# Altium PCB Rpi Head.pcbdoc
Units mil, origin at the board's own origin, x right, y up, seen from the top; angles counter-clockwise.
Board outline 3898.23 x 2736.71 mil, 4 copper layers (Top Layer, Inner1, Inner2, Bottom Layer); 75 components, 46 nets, 310 pads, 262 vias.
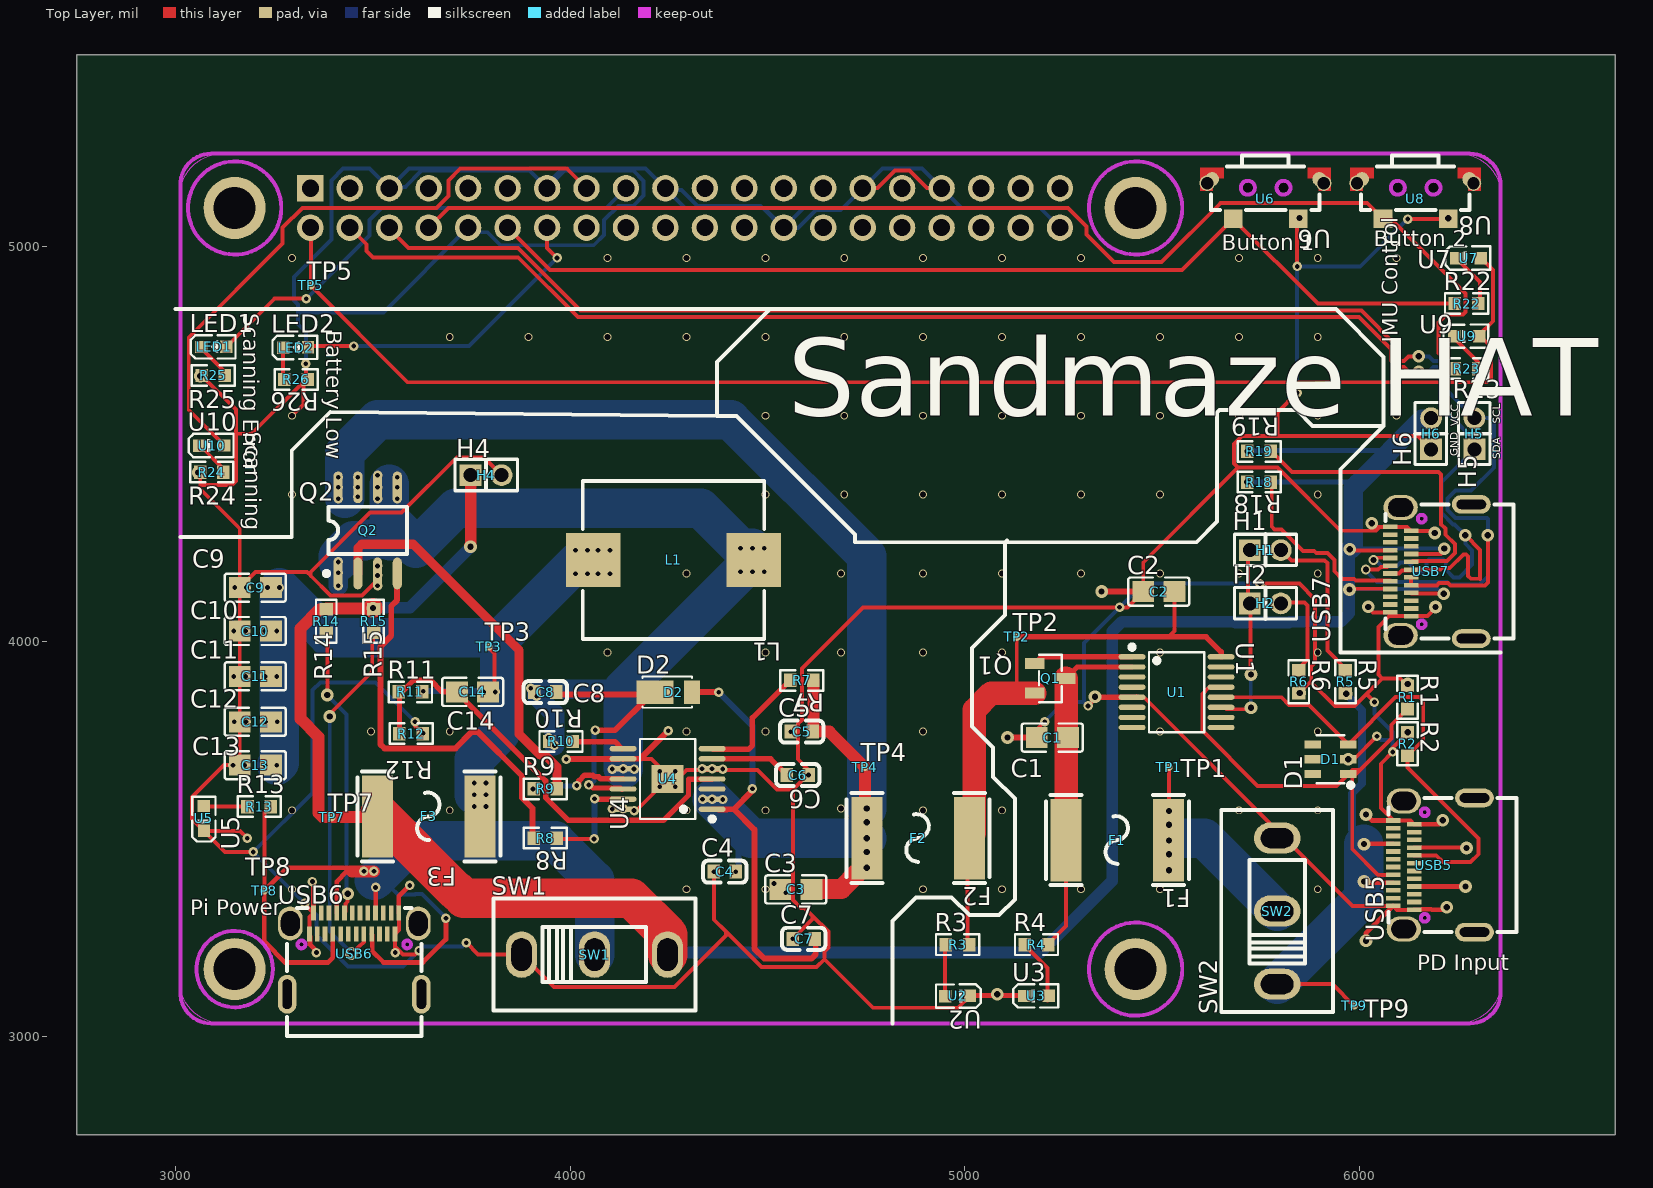
[diagram p0: Top Layer view]
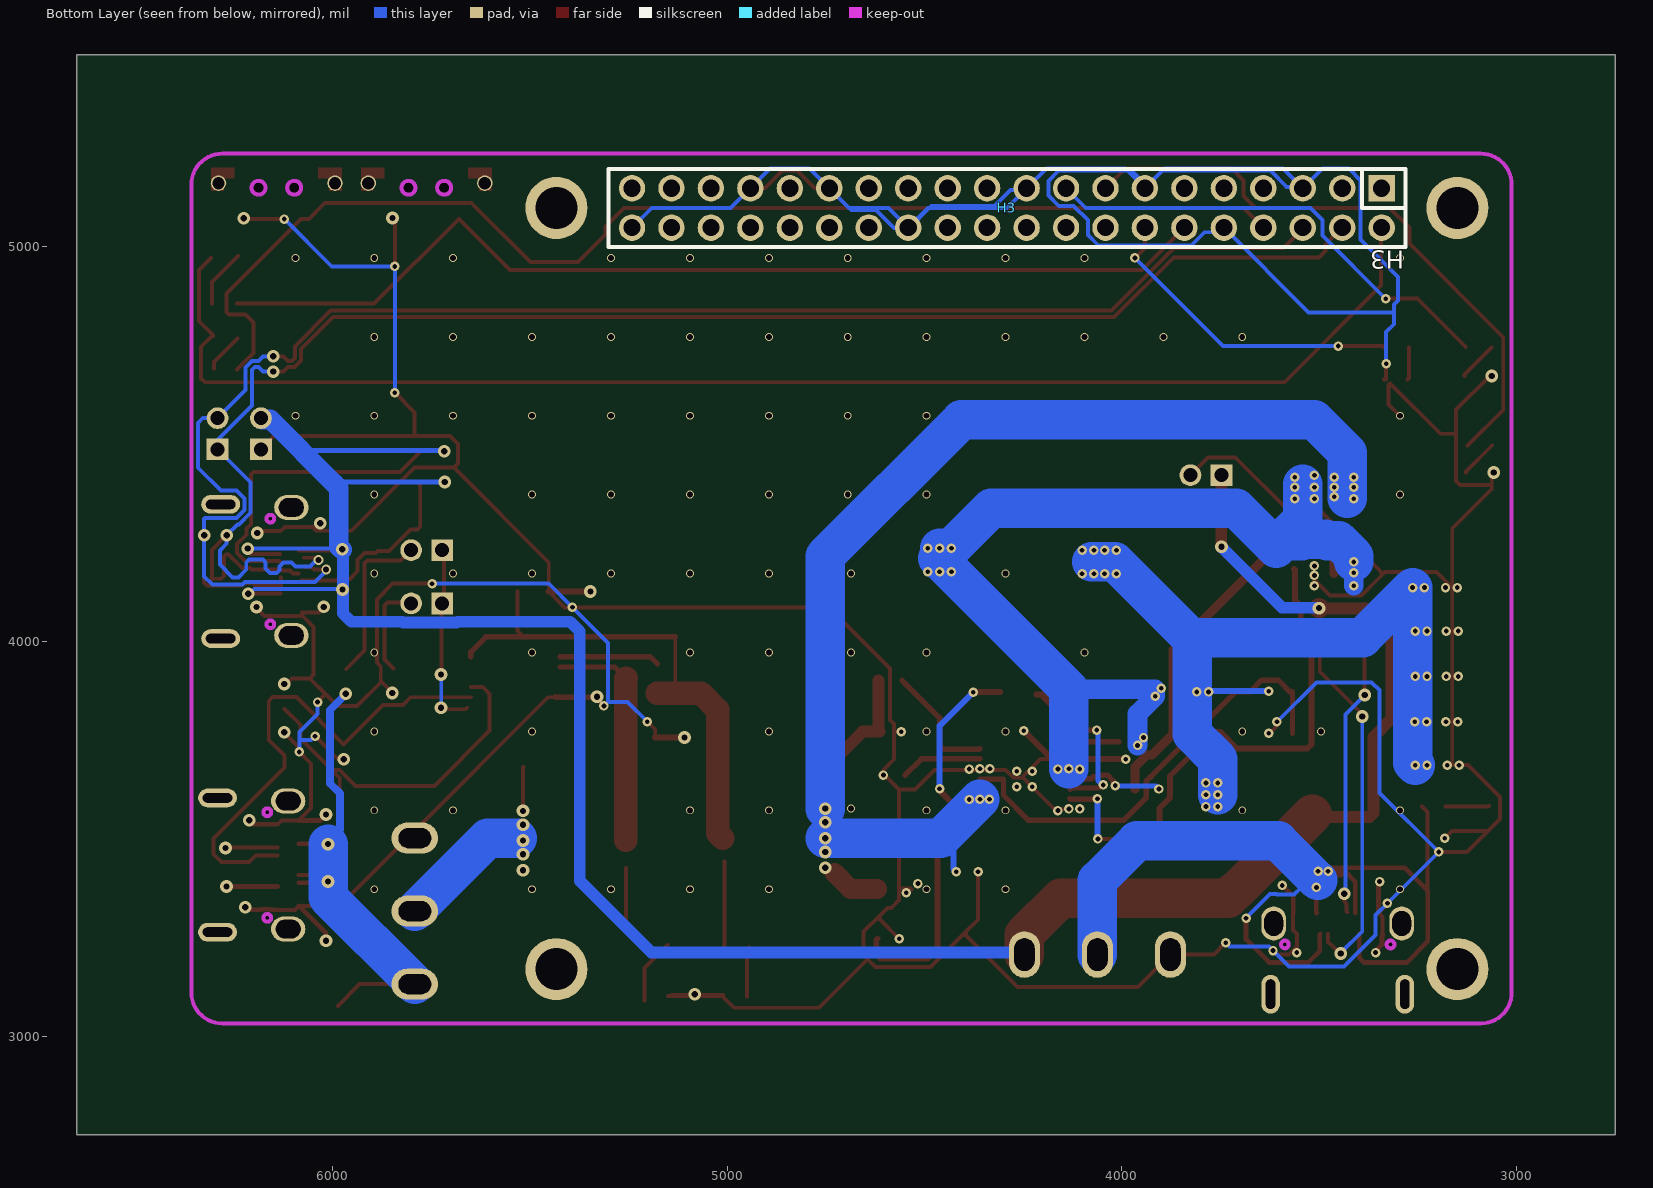
[diagram p1: Bottom Layer view, seen from below]
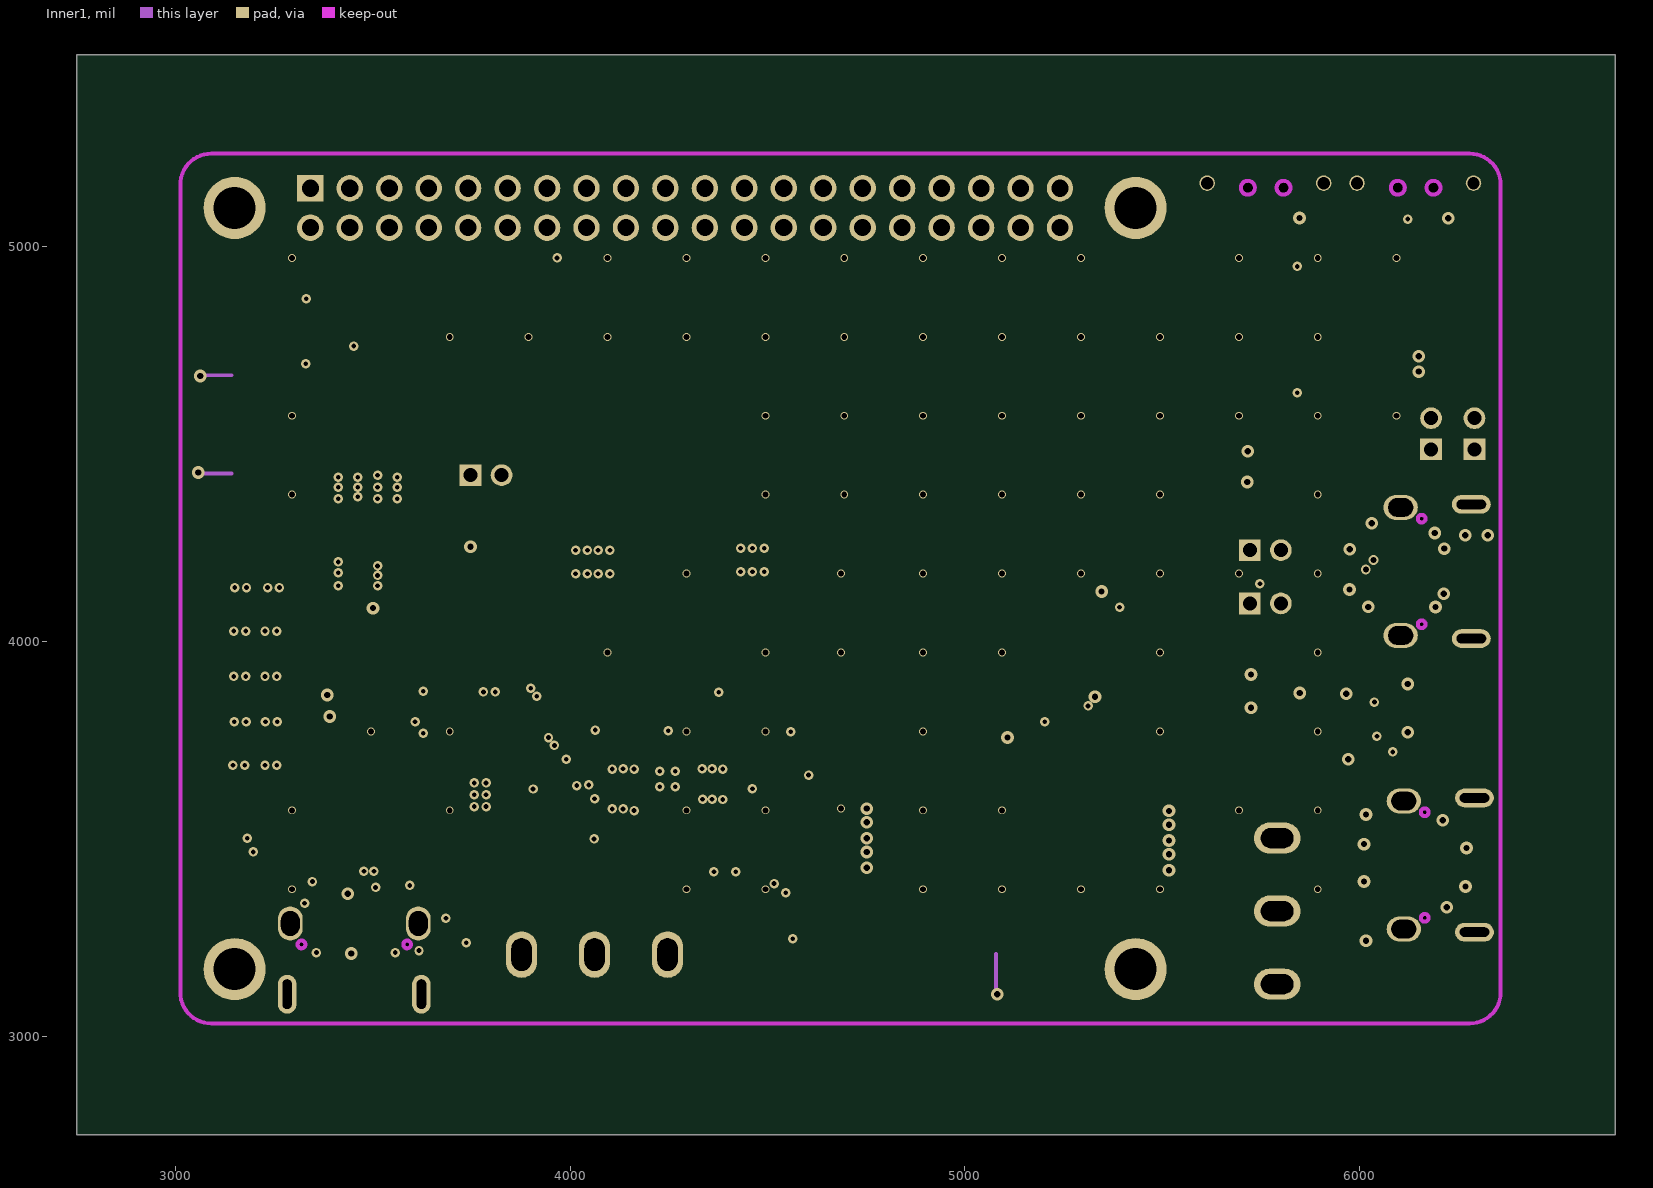
[diagram p2: Inner1]
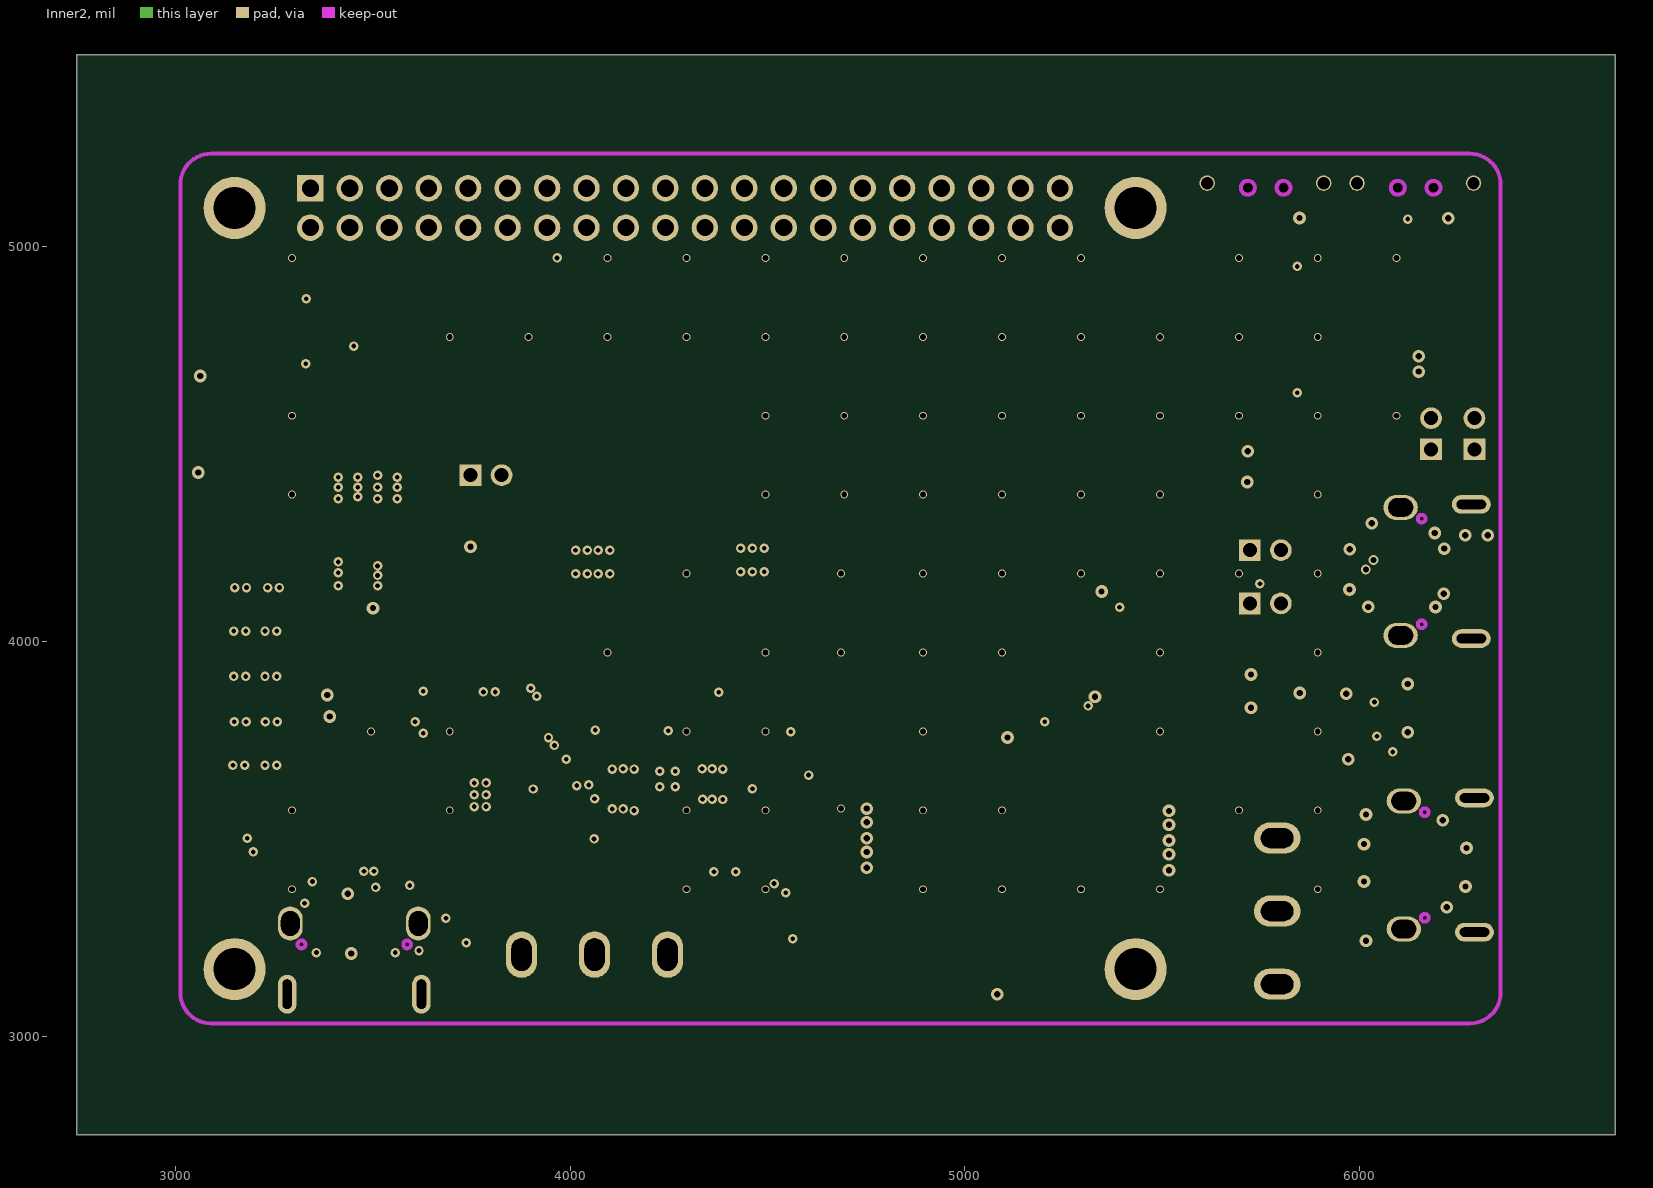
[diagram p3: Inner2]

## Layer stack, top to bottom
Top Layer: signal copper (thickness not stored)
Dielectric: dielectric 12.6, FR-4, Dk 4.8
Inner1: signal copper (thickness not stored)
Dielectric: dielectric 12.6, FR-4, Dk 4.8
Inner2: signal copper (thickness not stored)
Dielectric: dielectric 12.6, FR-4, Dk 4.8
Bottom Layer: signal copper (thickness not stored)

## Board outline
6648.23,2750 2750,2750 2750,5486.71 6648.23,5486.71

## Design rules (kind name [scope] priority, off if disabled: settings)
BoardOutlineClearance copperThickness1oz [All] p0: genericclearance=10 ignorepadtopadclearanceinfootprint=FALSE except(0: Arc-SplitContinuation Track-SplitContinuation SMDPad-SplitContinuation THPad-SplitContinuation Via-SplitContinuation Fill-SplitContinuation Poly-SplitContinuation Region-SplitContinuation Text-SplitContinuation; 6: Track-CutoutEdge SMDPad-CutoutEdge THPad-CutoutEdge Via-CutoutEdge Region-CutoutEdge; 11.8: Track-OutlineEdge SMDPad-OutlineEdge THPad-OutlineEdge Via-OutlineEdge Fill-OutlineEdge Region-OutlineEdge Poly-OutlineEdge Text-OutlineEdge Fill-CutoutEdge)
BoardOutlineClearance copperThickness2oz [All] p0: genericclearance=10 ignorepadtopadclearanceinfootprint=FALSE except(0: Arc-SplitContinuation Track-SplitContinuation SMDPad-SplitContinuation THPad-SplitContinuation Via-SplitContinuation Fill-SplitContinuation Poly-SplitContinuation Region-SplitContinuation Text-SplitContinuation; 6: Track-CutoutEdge SMDPad-CutoutEdge THPad-CutoutEdge Via-CutoutEdge Region-CutoutEdge; 11.8: Track-OutlineEdge SMDPad-OutlineEdge THPad-OutlineEdge Via-OutlineEdge Fill-OutlineEdge Region-OutlineEdge Poly-OutlineEdge Text-OutlineEdge Fill-CutoutEdge)
Clearance copperThickness1oz [All] p1: gap=7 ignorepadtopadclearanceinfootprint=FALSE except(4: Track-Track; 6: Track-SMDPad SMDPad-SMDPad Track-THPad SMDPad-THPad THPad-THPad Track-Via SMDPad-Via THPad-Via Via-Via SMDPad-Fill THPad-Fill Via-Fill Fill-Fill Track-Region SMDPad-Region THPad-Region Via-Region Region-Region Track-Poly SMDPad-Poly THPad-Poly Via-Poly Fill-Poly Region-Poly Poly-Poly Track-Text SMDPad-Text THPad-Text Via-Text Fill-Text Region-Text Poly-Text Text-Text; 6.9: Track-Hole SMDPad-Hole THPad-Hole Via-Hole Fill-Hole Region-Hole Poly-Hole Text-Hole Sheet-Hole; 11.8: Track-Fill Fill-Region Track-Sheet SMDPad-Sheet THPad-Sheet Via-Sheet Fill-Sheet Region-Sheet Poly-Sheet Text-Sheet)
Clearance copperThickness2oz [(InNet('VIN_USB') OR InNet('GND') OR InNet('VIN_LM3150') OR InNet('$1N3044') OR InNet('VREG') OR InNet('$1N3287') OR InNet('SW') OR InNet('$1N3658') OR InNet('FB') OR InNet('VOUT_LM3150') OR InNet('IMU_SDA') OR InNet('IMU_SCL') OR InNet('CC1') OR InNet('CC2') OR InNet('SEL') OR InNet('$1N2061') OR InNet('$1N2124') OR InNet('$1N1475') OR InNet('$1N1809') OR InNet('$1N1939') OR InNet('$1N2918') OR InNet('LG') OR InNet('$1N3263') OR InNet('HG') OR InNet('$1N3267') OR InNet('$1N3513') OR InNet('$1N7172') OR InNet('CC1_OUT') OR InNet('CC2_OUT') OR InNet('$1N7242') OR InNet('$1N7178') OR InNet('$1N6622') OR InNet('$1N1077') OR InNet('$1N8697') OR InNet('$1N21507') OR InNet('$1N21508') OR InNet('$1N21613') OR InNet('$1N1481') OR InNet('IMU_CC1') OR InNet('IMU_CC2') OR InNet('$1N44121') OR InNet('$1N44165') OR InNet('$1N44038') OR InNet('$1N43969') OR InNet('$1N47954') OR InNet('$1N47957'))] p1: gap=7 ignorepadtopadclearanceinfootprint=FALSE except(6: Track-SMDPad SMDPad-SMDPad Track-THPad SMDPad-THPad THPad-THPad Track-Via SMDPad-Via THPad-Via Via-Via SMDPad-Fill THPad-Fill Via-Fill Fill-Fill Track-Region SMDPad-Region THPad-Region Via-Region Region-Region Track-Poly SMDPad-Poly THPad-Poly Via-Poly Fill-Poly Region-Poly Poly-Poly Track-Text SMDPad-Text THPad-Text Via-Text Fill-Text Region-Text Poly-Text Text-Text; 6.9: Track-Hole SMDPad-Hole THPad-Hole Via-Hole Fill-Hole Region-Hole Poly-Hole Text-Hole Sheet-Hole; 8: Track-Track; 11.8: Track-Fill Fill-Region Track-Sheet SMDPad-Sheet THPad-Sheet Via-Sheet Fill-Sheet Region-Sheet Poly-Sheet Text-Sheet)
DiffPairsRouting differentialPair [All] p1: maxuncoupledlength=10 minlimit=6 maxlimit=6 mostfreqgap=6 toplayer_minwidth=5 toplayer_prefwidth=10 toplayer_maxwidth=100 bottomlayer_minwidth=5 bottomlayer_prefwidth=10 bottomlayer_maxwidth=100 midlayer1_minwidth=5 midlayer1_prefwidth=10 midlayer1_maxwidth=100 midlayer2_minwidth=5 midlayer2_prefwidth=10 midlayer2_maxwidth=100
PasteMaskExpansion pasteMaskExpansion [All] p1: expansion=0
PlaneConnect innerPlane [All] p1: planeconnectstyle=Relief reliefexpansion=20 reliefentries=4 reliefconductorwidth=10 reliefairgap=10
PolygonConnect copperRegion [All] p1: connectstyle=Relief reliefentries=4 reliefconductorwidth=10 polygonreliefangle="90 Angle" airgapwidth=10
RoutingVias viaSize [All] p1: viastyle="Through Hole" holewidth=12 minholewidth=11.8 maxholewidth=248 width=24 minwidth=19.7 maxwidth=393.7
SolderMaskExpansion solderMaskExpansion [All] p1: useseparateexpansions=TRUE expansion=2 expansionbottom=2
Width copperThickness1oz [All] p1: maxlimit=100 minlimit=5 preferedwidth=10
Width copperThickness2oz [All] p1: maxlimit=100 minlimit=8 preferedwidth=10

## Components (designator, comment, footprint, x,y, rotation, side; value= is the part's Value field where it differs from the comment)
C1 "CL21B105KBFNNNE" C0805 5221.9,3756.71 r0 top
C2 "CL21A106KBYQNNE" C0805 5491.9,4126.71 r0 top
C3 "CL21A106KBYQNNE" C0805 4571.9,3371.71 r0 top
C4 "CT41G-0603-2X1-50V-0.1μF-K(N)" C0603 4391.9,3416.71 r0 top
C5 "CT41G-0603-2X1-50V-0.01μF-K(N)" C0603 4586.9,3771.71 r0 top
C6 "CC0603JRX7R9BB153" C0603 4576.9,3661.71 r180 top
C7 "CL10A225KA8NNNC" C0603 4591.9,3246.71 r0 top
C8 "CC0603KRX5R9BB474" C0603 3936.9,3871.71 r0 top
C9 "CL21A226MPQNNNE" C0805 3201.9,4136.71 r0 top
C10 "CL21A226MPQNNNE" C0805 3201.9,4026.71 r0 top
C11 "CL21A226MPQNNNE" C0805 3201.9,3911.71 r0 top
C12 "CL21B104KBCNNNC" C0805 3201.9,3796.71 r0 top
C13 "CL21B104KBCNNNC" C0805 3201.9,3686.71 r0 top
C14 "CL21C101JBANNNC" C0805 3752.69,3872.34 r0 top
D1 "SRV05-4_C558418" SOT-23-6_L2.9-W1.6-P0.95-LS2.8-BL 5926.9,3701.71 r90 top locked
D2 "SBR3U40P1-7" POWERDI-123_L2.8-W1.8-LS3.7-RD 4261.9,3871.71 r0 top
F1 "2920L600/24GR" F2920 5386.9,3496.71 r180 top locked
F2 "2920L600/24GR" F2920 4881.9,3501.71 r180 top
F3 "2920L600/24GR" F2920 3641.9,3556.71 r180 top
H1 "PZ200V-11-02P" HDR-TH_2P-P2.00-V-M 5761.9,4231.71 r0 top
H2 "PZ200V-11-02P" HDR-TH_2P-P2.00-V-M 5761.9,4096.71 r0 top
H3 "2.54-2*20P母长PC104" HDR-TH_40P-P2.54-V-F-R2-C20-S2.54-2 4291.43,5098.92 r0 bottom locked
H4 "PZ200V-11-02P" HDR-TH_2P-P2.00-V-M 3786.9,4421.71 r0 top
H5 "PZ200V-11-02P" HDR-TH_2P-P2.00-V-M 6291.9,4526.71 r90 top
H6 "PZ200V-11-02P" HDR-TH_2P-P2.00-V-M 6181.9,4526.71 r90 top
L1 "SMMS1050-6R8M" IND-SMD_L11.5-W10.0 4261.9,4206.71 r180 top
LED1 "XL-1608SURC-06" LED0603-RD_RED 3096.9,4746.71 r0 top
LED2 "XL-1608SURC-06" LED0603-RD_RED 3304.11,4745.26 r0 top
Q1 "AO3400A_C347475" SOT-23-3_L2.9-W1.3-P1.90-LS2.4-BR 5216.9,3906.71 r180 top
Q2 "CSD88539ND" SOIC-8_L4.9-W3.9-P1.27-LS6.2-BL 3486.9,4281.71 r0 top
R1 "RTT035101BTP" R0603 6122.14,3858.76 r270 top locked
R2 "RTT035101BTP" R0603 6122.14,3740.65 r270 top locked
R3 "0603WAF1001T5E" R0603 4981.9,3231.71 r0 top
R4 "0603WAF1001T5E" R0603 5181.9,3231.71 r0 top locked
R5 "RC0603FR-0751KL" R0603 5964.66,3898.13 r270 top locked
R6 "RC0603FR-075R1L" R0603 5846.55,3898.13 r270 top locked
R7 "RC0603FR-0775KL" R0603 4586.9,3901.71 r180 top
R8 "FRC0603F0000TS" R0603 3936.9,3501.71 r180 top
R9 "FRC0603F0000TS" R0603 3936.9,3626.71 r0 top
R10 "0603WAF1021T5E" R0603 3976.9,3746.71 r180 top
R11 "RC0603FR-0773K2L" R0603 3595.17,3872.34 r0 top
R12 "RC0603FR-0710KL" R0603 3596.9,3766.71 r180 top
R13 "RC0603FR-07470RL" R0603 3211.9,3581.71 r0 top
R14 "RC0603FR-0710KL" R0603 3381.9,4051.71 r90 top
R15 "RC0603FR-0710KL" R0603 3501.9,4051.71 r90 top
R18 "RC0603FR-0710KL" R0603 5746.11,4404.19 r180 top
R19 "RC0603FR-0710KL" R0603 5746.11,4481.89 r180 top
R22 "RC0603FR-07220RL" R0603 6271.9,4856.71 r0 top
R23 "RC0603FR-07220RL" R0603 6271.9,4691.71 r0 top
R24 "RC0603FR-07220RL" R0603 3091.6,4429.4 r0 top
R25 "RC0603FR-07220RL" R0603 3095.42,4674.4 r0 top
R26 "RC0603FR-07220RL" R0603 3305.57,4664.25 r180 top
SW1 "SS-12M11G4" SW-TH_XKB_SS-12M11XX 4061.9,3206.71 r0 top
SW2 "SS-12M11G4" SW-TH_XKB_SS-12M11XX 5791.9,3316.71 r90 top locked
TP1 "Test-Point" Test-Point-0.5mm 5516.9,3681.71 r0 top
TP2 "Test-Point" Test-Point-0.5mm 5131.9,4011.71 r0 top
TP3 "Test-Point" Test-Point-0.5mm 3793.43,3986.8 r0 top
TP4 "Test-Point" Test-Point-0.5mm 4746.9,3681.71 r0 top
TP5 "Test-Point" Test-Point-0.5mm 3342.84,4902.43 r0 top
TP7 "Test-Point" Test-Point-0.5mm 3395.42,3554.28 r0 top
TP8 "Test-Point" Test-Point-0.5mm 3224.69,3368.69 r0 top
TP9 "Test-Point" Test-Point-0.5mm 5986.9,3076.71 r0 top
U1 "IP2721" TSSOP-16_L5.0-W4.4-P0.65-LS6.4-BL 5536.9,3871.71 r270 top
U2 "PSC-1608U52GC-G4" LED0603-RD_GREEN 4981.9,3101.71 r180 top
U3 "PSC-1608U52GC-G4" LED0603-RD_GREEN 5181.9,3101.71 r0 top
U4 "LM3150MHX/NOPB" HTSSOP-14_L5.0-W4.4-P0.65-LS6.4-BL-EP 4246.9,3651.71 r90 top
U5 "PSC-1608U52GC-G4" LED0603-RD_GREEN 3071.9,3551.71 r90 top
U6 "YTS1C0033BBG01" SW-SMD_YIYUAN_YTS1C003XXX 5761.9,5121.71 r180 top
U7 "PSC-1608U52GC-G4" LED0603-RD_GREEN 6276.9,4971.71 r0 top
U8 "YTS1C0033BBG01" SW-SMD_YIYUAN_YTS1C003XXX 6141.9,5121.71 r180 top
U9 "PSC-1608U52GC-G4" LED0603-RD_GREEN 6272.29,4773.6 r0 top
U10 "PSC-1608U52GC-G4" LED0603-RD_GREEN 3091.9,4496.71 r0 top
USB5 "TYPEC-324G-BCP24" USB-C-SMD_TYPEC-324G-BCP24#1 6189.07,3433.56 r90 top locked
USB6 "TYPEC-324G-BCP24" USB-C-SMD_TYPEC-324G-BCP24#2 3452.85,3209.16 r0 top locked
USB7 "TYPEC-324G-BCP24" USB-C-SMD_TYPEC-324G-BCP24#1 6181.2,4177.66 r90 top

## Footprints (in the part's own frame and the unit in brackets; to place one, negate y for a bottom-side part, rotate by r counter-clockwise, add the part's x,y. Pads: shape width x height; smd on the part's side, far side on the other; paste and mask are expansions set on the pad)
C0603 [mm]
  rect 0.8x0.9 smd: 1(-0.7,0) 2(0.7,0)
  silkscreen extent -1.39,-0.71 1.39,0.71
C0805 [mm]
  rect 1.41x1.35 smd: 1(-1,0) 2(1,0)
  silkscreen extent -1.96,-0.9 1.96,0.9
F2920 [mm]
  rect 2x5.3 smd: 1(-3.3,0) 2(3.3,0)
  silkscreen extent -4.6,-2.9 4.6,2.9
HDR-TH_2P-P2.00-V-M [mm]
  rect 1.4x1.4 hole 0.9: 1(-1,0)
  round 1.4 hole 0.9: 2(1,0)
  silkscreen extent -1.99,-1 2.02,1.03
HDR-TH_40P-P2.54-V-F-R2-C20-S2.54-2 [mm]
  rect 1.7x1.7 hole 1.1: 1(-24.13,-1.27)
  round 1.7 hole 1.1: 2(-24.13,1.27) 3(-21.59,-1.27) 4(-21.59,1.27) 5(-19.05,-1.27) 6(-19.05,1.27) 7(-16.51,-1.27) 8(-16.51,1.27) 9(-13.97,-1.27) 10(-13.97,1.27) 11(-11.43,-1.27) 12(-11.43,1.27) 13(-8.89,-1.27) 14(-8.89,1.27) 15(-6.35,-1.27) 16(-6.35,1.27) 17(-3.81,-1.27) 18(-3.81,1.27) 19(-1.27,-1.27) 20(-1.27,1.27) 21(1.27,-1.27) 22(1.27,1.27) 23(3.81,-1.27) 24(3.81,1.27) 25(6.35,-1.27) 26(6.35,1.27) 27(8.89,-1.27) 28(8.89,1.27) 29(11.43,-1.27) 30(11.43,1.27) 31(13.97,-1.27) 32(13.97,1.27) 33(16.51,-1.27) 34(16.51,1.27) 35(19.05,-1.27) 36(19.05,1.27) 37(21.59,-1.27) 38(21.59,1.27) 39(24.13,-1.27) 40(24.13,1.27)
  silkscreen extent -25.65,-2.5 25.65,2.5
HTSSOP-14_L5.0-W4.4-P0.65-LS6.4-BL-EP [mm]
  oval 0.343x1.731 smd: 1(-1.95,-2.866) 2(-1.3,-2.866) 3(-0.65,-2.866) 4(0,-2.866) 5(0.65,-2.866) 6(1.3,-2.866) 7(1.95,-2.866) 8(1.95,2.866) 9(1.3,2.866) 10(0.65,2.866) 11(0,2.866) 12(-0.65,2.866) 13(-1.3,2.866) 14(-1.95,2.866)
  rect 1.83x2.055 smd: 15(0,0)
  silkscreen extent -2.72,-3.02 2.58,1.77
IND-SMD_L11.5-W10.0 [mm]
  rect 3.5x3.5 smd: 1(-5.177,0) 2(5.177,0)
  silkscreen extent -5.84,-5.08 5.84,5.08
LED0603-RD_GREEN [mm]
  rect 0.8x0.8 smd: 1(-0.799,-0.003) 2(0.799,0.003)
  silkscreen extent -1.49,-0.75 1.39,0.76
LED0603-RD_RED [mm]
  rect 0.8x0.8 smd: 1(-0.8,-0.003) 2(0.8,0.003)
  silkscreen extent -1.49,-0.75 1.39,0.76
POWERDI-123_L2.8-W1.8-LS3.7-RD [mm]
  rect 2.4x1.5 smd: 1(-1.187,0)
  rect 1.05x1.5 smd: 2(1.187,0)
  silkscreen extent -2,-1 1.2,1
R0603 [mil]
  rect 31.75x34.02 smd: 1(-29.66,0) 2(29.66,0)
  silkscreen extent -55,-26 55,26
SOIC-8_L4.9-W3.9-P1.27-LS6.2-BL [mm]
  oval 0.588x2.045 smd: 1(-1.905,-2.772) 2(-0.635,-2.772) 3(0.635,-2.772) 4(1.905,-2.772) 5(1.905,2.772) 6(0.635,2.772) 7(-0.635,2.772) 8(-1.905,2.772)
  silkscreen extent -2.8,-2.92 2.53,1.52
SOT-23-3_L2.9-W1.3-P1.90-LS2.4-BR [mm]
  rect 1.25x0.7 smd: 1(1,-0.95) 2(1,0.95) 3(-1,0)
  silkscreen extent -0.73,-1.53 0.73,1.53
SOT-23-6_L2.9-W1.6-P0.95-LS2.8-BL [mil]
  rect 20.95x42.2 smd: 1(-37.4,-45.24) 2(0,-45.24) 3(37.4,-45.24) 4(37.4,45.24) 5(0,45.24) 6(-37.4,45.24)
  silkscreen extent -72,-57 61,35
SW-SMD_YIYUAN_YTS1C003XXX [mm]
  rect 1.2x1.2 smd: 1(-2.125,1.275) 2(2.075,1.275)
  round 0.9 smd: 3(3.425,-1.275) 4(-3.475,-1.275)
  round 1 hole 0.8: 3(3.75,-1.025) 4(-3.75,-1.025)
  Top Layer region: -4.225,-2.025 -4.225,-0.525 -3.425,-0.525 -3.425,-1.325 -2.725,-1.325 -2.725,-2.025 -3.425,-2.025 -3.425,-2.025
  Top Layer region: 4.175,-2.025 4.175,-0.525 3.375,-0.525 3.375,-1.325 2.675,-1.325 2.675,-2.025 3.375,-2.025
  Board Outline Layer circle w0.005: c1.125,-0.725 r0.45
  Board Outline Layer circle w0.005: c-1.175,-0.725 r0.45
  Board Outline Layer circle w0.254: c1.125,-0.725 r0.45
  Board Outline Layer circle w0.254: c-1.175,-0.725 r0.45
  Multi-Layer board cut-out: 0.675,-0.725 0.736,-0.948 0.901,-1.112 1.125,-1.171 1.349,-1.112 1.513,-0.948 1.575,-0.725 1.575,-0.725 1.513,-0.501 1.349,-0.338 1.125,-0.278 0.901,-0.338 0.736,-0.501 0.675,-0.725
  Multi-Layer board cut-out: -1.625,-0.725 -1.564,-0.948 -1.399,-1.112 -1.175,-1.171 -0.951,-1.112 -0.787,-0.948 -0.725,-0.725 -0.725,-0.725 -0.787,-0.501 -0.951,-0.338 -1.175,-0.278 -1.399,-0.338 -1.564,-0.501 -1.625,-0.725
  silkscreen extent -3.5,-2.8 3.5,0.7
SW-TH_XKB_SS-12M11XX [mm]
  oval 2x3 hole 1.3 slot 2.1 at 90 deg: 1(-4.7,0) 2(0,0) 3(4.7,0)
  silkscreen extent -6.5,-3.6 6.5,3.6
Test-Point-0.5mm [mm]
  round 0.5 smd: 1(0,0)
TSSOP-16_L5.0-W4.4-P0.65-LS6.4-BL [mil]
  oval 13.5x68.17 smd: 1(-89.57,-112.83) 2(-63.98,-112.83) 3(-38.39,-112.83) 4(-12.79,-112.83) 5(12.8,-112.83) 6(38.39,-112.83) 7(63.98,-112.83) 8(89.57,-112.83) 9(89.57,112.82) 10(63.98,112.82) 11(38.39,112.82) 12(12.8,112.82) 13(-12.79,112.82) 14(-38.39,112.82) 15(-63.98,112.82) 16(-89.57,112.82)
  silkscreen extent -120,-119 101,70
USB-C-SMD_TYPEC-324G-BCP24#1 [mm]
  oval 1.6x2.2 hole 1.2 slot 1.6 at 90 deg: 1(-4.12,1.937) 2(4.12,1.937)
  oval 1.2x2.5 hole 0.6 slot 1.9 at 90 deg: 3(-4.32,-2.613) 4(4.32,-2.613)
  rect 0.3x0.95 smd: A1(-2.63,2.613) A2(-2.13,2.613) A3(-1.63,2.613) A4(-1.13,2.613) A5(-0.63,2.613) A6(-0.13,2.613) A7(0.37,2.613) A8(0.87,2.613) A9(1.37,2.613) A10(1.87,2.613) A11(2.37,2.613) A12(2.87,2.613) B1(2.62,1.262) B2(2.12,1.262) B3(1.62,1.262) B4(1.12,1.262) B5(0.62,1.262) B6(0.12,1.262) B7(-0.38,1.262) B8(-0.88,1.262) B9(-1.38,1.262) B10(-1.88,1.262) B11(-2.38,1.262) B12(-2.88,1.262)
  Board Outline Layer circle w0.005: c3.4,0.587 r0.25
  Board Outline Layer circle w0.005: c-3.4,0.587 r0.25
  Board Outline Layer circle w0.254: c3.4,0.587 r0.25
  Board Outline Layer circle w0.254: c-3.4,0.587 r0.25
  Multi-Layer board cut-out: 3.4,0.337 3.509,0.362 3.596,0.432 3.644,0.532 3.644,0.643 3.595,0.743 3.508,0.813 3.4,0.837 3.4,0.837 3.291,0.813 3.204,0.743 3.156,0.643 3.156,0.532 3.205,0.431 3.292,0.362 3.4,0.337
  Multi-Layer board cut-out: -3.4,0.337 -3.291,0.362 -3.204,0.432 -3.156,0.532 -3.156,0.643 -3.204,0.743 -3.291,0.813 -3.4,0.837 -3.4,0.837 -3.508,0.813 -3.595,0.743 -3.644,0.643 -3.644,0.532 -3.595,0.431 -3.508,0.362 -3.4,0.337
  silkscreen extent -4.32,-5.31 4.32,2.92
USB-C-SMD_TYPEC-324G-BCP24#2 [mm]
  oval 1.6x2.2 hole 1.2 slot 1.6 at 90 deg: 1(-4.12,1.937) 2(4.12,1.937)
  oval 1.2x2.5 hole 0.6 slot 1.9 at 90 deg: 3(-4.32,-2.613) 4(4.32,-2.613)